# Allegro board 6089-119-RevB_08.brd (continued)
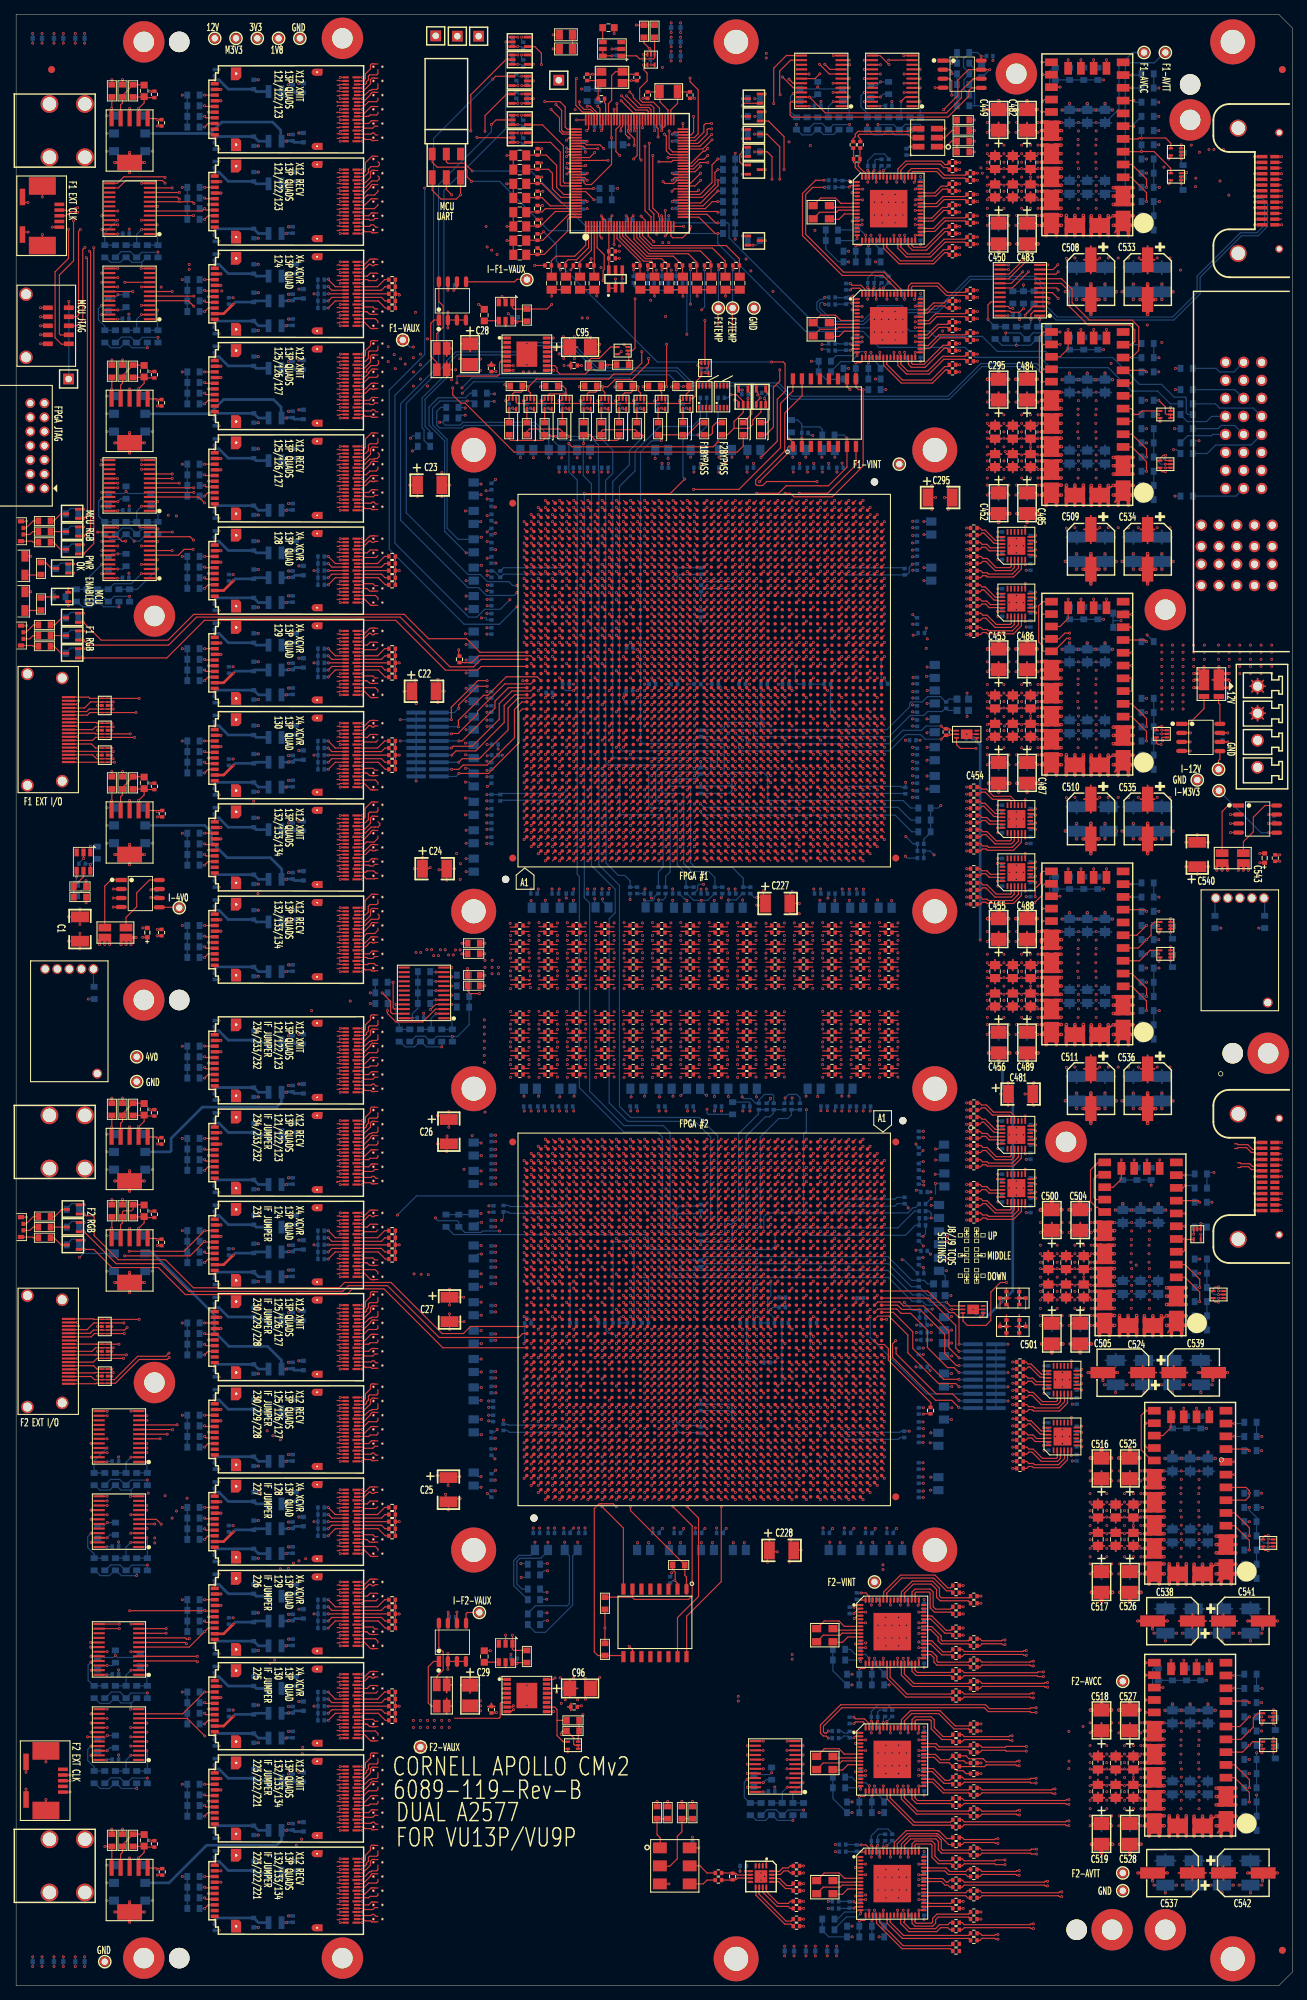
[diagram p0: board, top side]
## Routing (per net, layer and track width the routed paths; a pad name or vN(x,y) marks a point on that pad's centre or on a via; arc(x,y) is an arc through that point) (continued)
 v1(94.61,92.51) ; U77.M51 v1(111.39,68.51) ; v1(131.4,208) 131.4,209.14 C295.2 ; U35.B19 45.69,112.9 v1(45.69,112.89) ; U52.3 v1(71.28,269.06) ; U7.3 v1(11.5,89.4) ; U75.BC44 v1(114.39,202.29) ; U77.AD19 v1(99.39,101.29) ; U30.A7 v1(48.81,187.9) ; U77.M5 v1(111.39,115.29) ; U77.AA24 v1(102.39,96.29) ; U75.H46 v1(78.61,204.29) ; U77.AP47 v1(88.61,72.51) ; U75.BJ4 v1(120.39,161.51) ; U8.8 v1(13.5,85.9) ; U77.BB5 v1(80.61,115.29) ; U77.AG22 v1(95.61,98.29) ; U77.AR44 v1(87.61,75.51) ; U123.2 v1(171.19,165.03) ; U75.BG28 v1(118.39,186.29) ; U77.AM33 v1(90.61,86.51) ; U77.AF23 v1(97.39,97.29) ; U75.A9 v1(71.61,166.51) ; U39.A1 v1(48.81,69.9) ; U77.AK47 v1(92.61,72.51) ; U77.L5 v1(112.39,115.29) ; U77.F7 v1(117.39,113.29) ; U43.B4 v1(45.69,16.4) ; U75.W34 v1(89.61,192.29) ; U75.AL34 v1(102.39,192.29) ; U75.K7 v1(80.61,164.51) ; U77.AB51 v1(101.39,68.51) ; U77.AV42 v1(84.61,77.51) ; U77.AG49 v1(95.61,70.51) ; v1(94,238.05) C155.2 C154.2 ; U75.AG28 v1(98.39,186.29) ; U75.F16 v1(76.61,173.51) ; U75.N47 v1(83.61,205.29) ; U75.R4 v1(85.61,161.51) ; U77.BL31 v1(71.61,88.51) ; U75.AC36 v1(93.61,194.29) ; U77.M46 v1(111.39,73.51) ; U77.AM41 v1(90.61,78.51) ; C543.2 v1(175.32,159.56) ; J5.8 v1(8.66,175.98) ; U75.BH37 v1(119.39,195.29) ; 177.43,109.22 v1(178.38,109.22) ; U75.BF36 v1(117.39,194.29) ; U77.AY19 v1(82.61,101.29) ; U77.AL26 v1(91.61,94.29) ; U77.AL47 v1(91.61,72.51) ; U75.H20 v1(78.61,177.51) ; 130.66,267.44 v1(129.54,267.44) ; U75.B48 v1(72.61,206.29) ; U77.AH33 v1(94.61,86.51) ; P3.7 v1(178.38,116.42) ; v1(65.45,229.2) 64.85,229.2 64.09,228.44 64.01,228.44 ; U77.AD27 v1(99.39,92.51) ; U77.C18 v1(120.39,102.29) ; U75.Y21 v1(90.61,178.51) ; U24.A4 v1(48.81,267.4) ; P2.2 v1(174.58,257.73) ; U77.AK38 v1(92.61,81.51) ; U77.H51 v1(115.39,68.51) ; U75.C50 v1(73.61,208.29) ; U77.N30 v1(110.39,89.51) ; U75.BF7 v1(117.39,164.51) ; U77.AH50 v1(94.61,69.51) ; U77.AV15 v1(84.61,105.29) ; U75.AK42 v1(101.39,200.29) ; U77.W47 v1(104.39,72.51) ; v1(62.55,229.25) 63.1,229.25 63.91,228.44 C28.2 64.01,228.44 ; U27.A16 v1(48.81,222.4) ; R14.1 v1(13.5,268.57) ; U75.BH41 v1(119.39,199.29) ; U77.AF5 v1(97.39,115.29) ; U77.W26 v1(104.39,94.29) ; U75.B5 v1(72.61,162.51) ; U75.M2 v1(82.61,159.51) ; U77.N5 v1(110.39,115.29) ; U123.7 v1(176.57,165.03) ; U77.C36 v1(120.39,83.51) ; U77.E48 v1(118.39,71.51) ; U77.H46 v1(115.39,73.51) ; U77.BA38 v1(81.61,81.51) ; U77.BJ49 v1(73.61,70.51) ; U75.AC8 v1(93.61,165.51) ; U75.AT25 v1(107.39,182.51) ; U75.AC30 v1(93.61,188.29) ; U77.C4 v1(120.39,116.29) ; U77.AE34 v1(98.39,85.51) ; U75.AG24 v1(98.39,181.51) ; U75.Y50 v1(90.61,208.29) ; U77.AC20 v1(100.39,100.29) ; U77.BH31 v1(74.61,88.51) ; U75.AF2 v1(97.39,159.51) ; U75.BK14 v1(121.39,171.51) ; U77.AA40 v1(102.39,79.51) ; U75.T21 v1(86.61,178.51) ; U75.AB35 v1(92.61,193.29) ; U77.Y37 v1(103.39,82.51) ; U56.1 68.45,232.18 68.45,232.17 v1(68.36,232.17) ; U77.AV25 v1(84.61,95.29) ; J6.2 v1(8.66,85.34) ; U63.3 82.5,223.51 82.33,223.34 v1(82.02,223.34) ; U77.V1 v1(105.39,119.29) ; v1(107.49,114.31) 107.39,114.31 107.39,114.29 U77.T6 ; U75.AC32 v1(93.61,190.29) ; U83.12 v1(108.7,34.48) ; R63.1 R64.1 R65.1 ; U77.BB14 v1(80.61,106.29) ; U77.AB10 v1(101.39,110.29) ; U75.U28 v1(87.61,186.29) ; U40.A1 v1(48.81,56.9) ; U75.F14 v1(76.61,171.51) ; U75.L40 v1(81.61,198.29) ; U42.B13 v1(45.69,24.9) ; U77.AM38 v1(90.61,81.51) ; U75.AN40 v1(104.39,198.29) ; v1(69.2,245.9) C40.2 C41.2 ; U77.D15 v1(119.39,105.29) ; U75.AF15 v1(97.39,172.51) ; U77.A17 v1(122.39,103.29) ; U77.AF51 v1(97.39,68.51) ; U75.BA3 v1(112.39,160.51) ; U77.BC3 v1(79.61,117.29) ; U75.BD38 v1(115.39,196.29) ; U15.12 v1(17.62,241.97) ; U75.H6 v1(78.61,163.51) ; U75.G4 v1(77.61,161.51) ; U75.K38 v1(80.61,196.29) ; C16.2 v1(19.9,222.6) ; C76.2 v1(79.7,228.3) ; U75.BF46 v1(117.39,204.29) ; R55.1 R54.1 R53.1 ; R55.1 R56.1 R57.1 ; R55.1 v1(54.01,104.4) ; C94.2 C98.2 81.85,238.64 v1(81.85,238.1) ; U75.BJ18 v1(120.39,175.51) ; U77.P38 v1(109.39,81.51) ; U77.BJ39 v1(73.61,80.51) ; U75.AD37 v1(94.61,195.29) ; v1(80.5,254.4) 80.1,254.8 U68.114 ; U77.AR3 v1(87.61,117.29) ; U75.BL48 v1(122.39,206.29) ; U77.BG49 v1(75.61,70.51) ; U75.AD47 v1(94.61,205.29) ; U75.W3 v1(89.61,160.51) ; U75.AY29 v1(111.39,187.29) ; U77.W24 v1(104.39,96.29) ; U77.BB33 v1(80.61,86.51) ; U77.BE19 v1(77.61,101.29) ; 64.01,228.44 64.85,227.6 v1(65.45,227.6) ; U75.AJ28 v1(100.39,186.29) ; U75.BJ49 v1(120.39,207.29) ; U75.W36 v1(89.61,194.29) ; U77.P5 v1(109.39,115.29) ; U75.Y46 v1(90.61,204.29) ; U77.BC30 v1(79.61,89.51) ; U77.L44 v1(112.39,75.51) ; U77.U28 v1(106.39,91.51) ; U75.AD23 v1(94.61,180.51) ; U75.G49 v1(77.61,207.29) ; U75.AC16 v1(93.61,173.51) ; U34.A4 v1(48.81,133.4) ; U75.B7 v1(72.61,164.51) ; U77.AA18 v1(102.39,102.29) ; U77.AH37 v1(94.61,82.51) ; U77.AK35 v1(92.61,84.51) ; U33.A1 v1(48.81,151.9) ; C295.2 131.4,210.26 v1(131.4,211.4) ; C295.2 v1(130.87,209.7) ; U77.AH23 v1(94.61,97.29) ; U75.H38 v1(78.61,196.29) ; U77.AA4 v1(102.39,116.29) ; U75.L14 v1(81.61,171.51) ; U77.H1 v1(115.39,119.29) ; U75.V25 v1(88.61,182.51) ; U75.AG36 v1(98.39,194.29) ; U75.AY38 v1(111.39,196.29) ; U77.D31 v1(119.39,88.51) ; U77.E45 v1(118.39,74.51) ; Q11.2 v1(9.6,105.05) ; U77.BC20 v1(79.61,100.29) ; U75.AD33 v1(94.61,191.29) ; U77.W22 v1(104.39,98.29) ; U75.F5 v1(76.61,162.51) ; U77.J38 v1(114.39,81.51) ; U27.A4 v1(48.81,228.4) ; J7.5 v1(62.65,252.35) 62.05,251.75 59.9,251.75 58.65,253 J7.1 ; U75.AA28 v1(91.61,186.29) ; U75.AU38 v1(108.39,196.29) ; U77.L16 v1(112.39,104.29) ; U107.13 v1(153.7,195.38) ; C24.2 v1(60.71,155.8) ; C24.2 v1(61.81,157.4) ; C24.2 60.05,157.4 59.9,157.25 v1(59.62,157.25) ; U77.AJ3 v1(93.61,117.29) ; U75.AW40 v1(110.39,198.29) ; C10.2 v1(18.89,227.45) ; U75.G48 v1(77.61,206.29) ; U77.BE3 v1(77.61,117.29) ; U75.C34 v1(73.61,192.29) ; U77.P10 v1(109.39,110.29) ; U75.AU43 v1(108.39,201.29) ; U75.P50 v1(84.61,208.29) ; U77.AU13 v1(85.61,107.29) ; U77.D21 v1(119.39,99.29) ; U75.F50 v1(76.61,208.29) ; U75.AE22 v1(95.61,179.51) ; U77.AJ47 v1(93.61,72.51) ; U77.AA9 v1(102.39,111.29) ; U75.AD5 v1(94.61,162.51) ; U77.AC38 v1(100.39,81.51) ; U75.AW49 v1(110.39,207.29) ; U75.R8 v1(85.61,165.51) ; U33.A10 v1(48.81,147.4) ; U30.B7 v1(45.69,187.9) ; U50.3 v1(70.72,273.24) ; U77.BA47 v1(81.61,72.51) ; U75.L47 v1(81.61,205.29) ; U75.F38 v1(76.61,196.29) ; U77.BJ48 v1(73.61,71.51) ; U77.BE33 v1(77.61,86.51) ; U25.B4 v1(45.69,254.4) ; U111.3 v1(162.74,222.4) ; U56.16 v1(75.72,232.18) ; U75.BA26 v1(112.39,184.29) ; U33.B16 v1(45.69,144.4) ; 153.7,270.18 v1(153.7,271.38) ; U41.B19 v1(45.69,34.9) ; U75.BH46 v1(119.39,204.29) ; U75.AB19 v1(92.61,176.51) ; U77.BE5 v1(77.61,115.29) ; U77.BA40 v1(81.61,79.51) ; v1(90.02,223.34) 90.33,223.34 90.5,223.51 U73.3 ; U77.AG32 v1(95.61,87.51) ; U77.G5 v1(116.39,115.29) ; U77.AN18 v1(89.61,102.29) ; U77.AE48 v1(98.39,71.51) ; U33.A7 v1(48.81,148.9) ; U77.AR26 v1(87.61,94.29) ; U75.B14 v1(72.61,171.51) ; U77.BC44 v1(79.61,75.51) ; U40.B4 v1(45.69,55.4) ; U19.3 v1(16,167.01) ; U77.AT29 v1(86.61,90.51) ; U77.E16 v1(118.39,104.29) ; U77.AF42 v1(97.39,77.51) ; U31.A7 v1(48.81,174.9) ; U33.A16 v1(48.81,144.4) ; U77.BF32 v1(76.61,87.51) ; U75.AG38 v1(98.39,196.29) ; U75.U38 v1(87.61,196.29) ; U77.AW12 v1(83.61,108.29) ; U32.A10 v1(48.81,160.4) ; U75.N14 v1(83.61,171.51) ; U75.M41 v1(82.61,199.29) ; U77.P45 v1(109.39,74.51) ; U75.AN43 v1(104.39,201.29) ; P2.7 v1(178.38,255.32) ; U75.P37 v1(84.61,195.29) ; U26.B1 v1(45.69,242.9) ; U77.AB21 v1(101.39,99.29) ; U77.AT25 v1(86.61,95.29) ; U75.AV45 v1(109.39,203.29) ; U75.BK7 v1(121.39,164.51) ; U75.B4 v1(72.61,161.51) ; U75.AV47 v1(109.39,205.29) ; U77.V45 v1(105.39,74.51) ; U77.BL44 v1(71.61,75.51) ; U75.AY1 v1(111.39,158.51) ; U77.AA14 v1(102.39,106.29) ; U77.BG44 v1(75.61,75.51) ; U77.BG48 v1(75.61,71.51) ; U26.B4 v1(45.69,241.4) ; U75.AY6 v1(111.39,163.51) ; U77.AN32 v1(89.61,87.51) ; U75.AH50 v1(99.39,208.29) ; U35.B10 v1(45.69,117.4) ; U77.AN38 v1(89.61,81.51) ; U77.F16 v1(117.39,104.29) ; U37.B13 v1(45.69,89.9) ; J5.5 v1(8.66,174.46) ; U27.A7 v1(48.81,226.9) ; U75.U39 v1(87.61,197.29) ; U75.T11 v1(86.61,168.51) ; U77.AD31 v1(99.39,88.51) ; U77.BF33 v1(76.61,86.51) ; U6.8 v1(13.5,92.9) ; U75.AK35 v1(101.39,193.29) ; C75.2 C74.2 v1(75.5,238.08) ; U75.AW48 v1(110.39,206.29) ; U75.K45 v1(80.61,203.29) ; U77.AL22 v1(91.61,98.29) ; Q17.2 v1(103.9,245.25) ; U75.U30 v1(87.61,188.29) ; Q16.2 v1(102.4,255.25) ; U75.Y5 v1(90.61,162.51) ; U75.AY50 v1(111.39,208.29) ; U75.H5 v1(78.61,162.51) ; U5.3 v1(11.5,173.4) ; U75.BC5 v1(114.39,162.51) ; U77.AM29 v1(90.61,90.51) ; U75.G40 v1(77.61,198.29) ; U75.D21 v1(74.61,178.51) ; U77.AG47 v1(95.61,72.51) ; U77.K45 v1(113.39,74.51) ; U77.BK42 v1(72.61,77.51) ; U75.BE34 v1(116.39,192.29) ; U77.BK16 v1(72.61,104.29) ; U75.BC20 v1(114.39,177.51) ; U77.BD11 v1(78.61,109.29) ; U77.T1 v1(107.39,119.29) ; U32.A16 v1(48.81,157.4) ; U77.B20 v1(121.39,100.29) ; U75.B10 v1(72.61,167.51) ; U34.A1 v1(48.81,134.9) ; U77.BL18 v1(71.61,102.29) ; U75.G36 v1(77.61,194.29) ; U75.N30 v1(83.61,188.29) ; U77.AR38 v1(87.61,81.51) ; U77.BE24 v1(77.61,96.29) ; U75.AK37 v1(101.39,195.29) ; U77.J3 v1(114.39,117.29) ; U77.AE4 v1(98.39,116.29) ; v1(150.37,161.59) 150.45,161.59 150.45,161.6 ; U77.AG30 v1(95.61,89.51) ; U75.AU3 v1(108.39,160.51) ; U75.AJ14 v1(100.39,171.51) ; U75.BH45 v1(119.39,203.29) ; U75.BL45 v1(122.39,203.29) ; U75.B33 v1(72.61,191.29) ; U28.A13 v1(48.81,210.9) ; U77.R34 v1(108.39,85.51) ; U75.AD12 v1(94.61,169.51) ; U75.H50 v1(78.61,208.29) ; U77.T50 v1(107.39,69.51) ; v1(75.97,43.38) 75.95,43.38 75.95,43.4 75.72,43.17 U57.16 ; U77.AB33 v1(101.39,86.51) ; U77.J43 v1(114.39,76.51) ; U29.A19 v1(48.81,194.9) ; U77.AT38 v1(86.61,81.51) ; v1(45.69,239.9) U26.B7 ; U75.H17 v1(78.61,174.51) ; U75.AL49 v1(102.39,207.29) ; U75.D32 v1(74.61,190.29) ; U75.AG40 v1(98.39,198.29) ; U75.AD35 v1(94.61,193.29) ; U77.F19 v1(117.39,101.29) ; U77.H37 v1(115.39,82.51) ; R79.2 63.64,140.16 64,139.8 v1(65.3,139.8) ; U75.W18 v1(89.61,175.51) ; U5.8 v1(13.5,173.4) ; U75.AD27 v1(94.61,185.29) ; U75.W5 v1(89.61,162.51) ; U40.B13 v1(45.69,50.9) ; R15.1 v1(13.5,229.07) ; U75.BD50 v1(115.39,208.29) ; U77.K14 v1(113.39,106.29) ; U77.N38 v1(110.39,81.51) ; U77.AU38 v1(85.61,81.51) ; C17.2 v1(19.89,148.85) ; U38.A4 v1(48.81,81.4) ; U109.13 v1(161.2,116.38) ; U77.C7 v1(120.39,113.29) ; U77.BG12 v1(75.61,108.29) ; U77.B42 v1(121.39,77.51) ; U77.C48 v1(120.39,71.51) ; U119.3 v1(166,105.9) ; U75.AM50 v1(103.39,208.29) ; U77.L47 v1(112.39,72.51) ; U113.3 v1(162.74,150.38) ; U75.AT21 v1(107.39,178.51) ; U77.AV51 v1(84.61,68.51) ; C23.2 v1(61.15,211.45) ; C23.2 v1(60.01,213.21) ; C23.2 v1(60.01,209.84) ; U75.AJ3 v1(100.39,160.51) ; U75.H51 v1(78.61,209.29) ; U77.V5 v1(105.39,115.29) ; U75.BL40 v1(122.39,198.29) ; U75.R49 v1(85.61,207.29) ; U28.B13 v1(45.69,210.9) ; U75.V23 v1(88.61,180.51) ; U75.E17 v1(75.61,174.51) ; R19.1 v1(13.5,22.07) ; U75.AT41 v1(107.39,199.29) ; U75.F6 v1(76.61,163.51) ; v1(150.37,199.59) 150.45,199.59 150.45,199.6 ; U77.AR30 v1(87.61,89.51) ; v1(74.02,223.34) 74.33,223.34 74.5,223.51 U59.3 ; U77.AA32 v1(102.39,87.51) ; U77.AE5 v1(98.39,115.29) ; U22.3 v1(16,18.01) ; U75.AK15 v1(101.39,172.51) ; U75.AE20 v1(95.61,177.51) ; U33.B19 v1(45.69,142.9) ; U27.B13 v1(45.69,223.9) ; U77.AP37 v1(88.61,82.51) ; U77.BB47 v1(80.61,72.51) ; U75.AB38 v1(92.61,196.29) ; U77.AH41 v1(94.61,78.51) ; U11.12 v1(16.2,50.98) ; U75.C44 v1(73.61,202.29) ; U75.D51 v1(74.61,209.29) ; U77.W28 v1(104.39,91.51) ; U77.H50 v1(115.39,69.51) ; U77.L40 v1(112.39,79.51) ; U75.AL20 v1(102.39,177.51) ; U77.V29 v1(105.39,90.51) ; U77.AP23 v1(88.61,97.29) ; U75.L16 v1(81.61,173.51) ; U75.BF47 v1(117.39,205.29) ; U77.D6 v1(119.39,114.29) ; v1(84.52,223.34) 84.83,223.34 85,223.51 U67.3 ; U75.AR26 v1(106.39,184.29) ; U37.A4 v1(48.81,94.4) ; U77.BK49 v1(72.61,70.51) ; U75.BG49 v1(118.39,207.29) ; v1(69.18,257.9) C34.2 C35.2 ; U75.BB7 v1(113.39,164.51) ; U75.AM47 v1(103.39,205.29) ; U77.BH6 v1(74.61,114.29) ; U75.B31 v1(72.61,189.29) ; U77.BB51 v1(80.61,68.51) ; U75.AM23 v1(103.39,180.51) ; U75.C8 v1(73.61,165.51) ; U77.R8 v1(108.39,112.29) ; U77.BC48 v1(79.61,71.51) ; U75.BJ16 v1(120.39,173.51) ; U77.AM11 v1(90.61,109.29) ; U75.AB17 v1(92.61,174.51) ; U75.BJ45 v1(120.39,203.29) ; U77.AE26 v1(98.39,94.29) ; U75.BB1 v1(113.39,158.51) ; U75.BH36 v1(119.39,194.29) ; U77.BG34 v1(75.61,85.51) ; U75.AM1 v1(103.39,158.51) ; U75.Y11 v1(90.61,168.51) ; U77.AF19 v1(97.39,101.29) ; U77.AF50 v1(97.39,69.51) ; C115.2 v1(84.31,275.06) ; U77.AU14 v1(85.61,106.29) ; U21.3 v1(16,106.71) ; U75.E34 v1(75.61,192.29) ; U77.BG3 v1(75.61,117.29) ; v1(169.5,97.93) 169.62,97.93 169.65,97.9 U121.3 ; U77.AG38 v1(95.61,81.51) ; J3.9 v1(1.4,27.72) ; U77.BG40 v1(75.61,79.51) ; U75.BG48 v1(118.39,206.29) ; U28.A10 v1(48.81,212.4) ; U77.AJ22 v1(93.61,98.29) ; U77.F2 v1(117.39,118.29) ; U41.B13 v1(45.69,37.9) ; U24.B19 v1(45.69,259.9) ; U124.3 176.65,62.9 176.62,62.93 v1(176.5,62.93) ; U31.A1 v1(48.81,177.9) ; U77.AP29 v1(88.61,90.51) ; U43.B16 v1(45.69,10.4) ; U75.R40 v1(85.61,198.29) ; U75.AL28 v1(102.39,186.29) ; U42.B4 v1(45.69,29.4) ; P2.14 v1(174.58,252.93) ; U77.A43 v1(122.39,76.51) ; U75.AT31 v1(107.39,189.29) ; U75.Y27 v1(90.61,185.29) ; U77.AT11 v1(86.61,109.29) ; U75.AN48 v1(104.39,206.29) ; U75.BB23 v1(113.39,180.51) ; U77.AH1 v1(94.61,119.29) ; U77.AM47 v1(90.61,72.51) ; U77.AK23 v1(92.61,97.29) ; U77.D45 v1(119.39,74.51) ; U75.AE5 v1(95.61,162.51) ; U75.K14 v1(80.61,171.51) ; U77.K51 v1(113.39,68.51) ; U77.BF2 v1(76.61,118.29) ; U75.N5 v1(83.61,162.51) ; U75.AK51 v1(101.39,209.29) ; U77.F47 v1(117.39,72.51) ; U77.A34 v1(122.39,85.51) ; U75.R48 v1(85.61,206.29) ; U75.Y23 v1(90.61,180.51) ; U43.B7 v1(45.69,14.9) ; U77.AK2 v1(92.61,118.29) ; U75.Y41 v1(90.61,199.29) ; U77.AW4 v1(83.61,116.29) ; U29.B1 v1(45.69,203.9) ; U75.M50 v1(82.61,208.29) ; U77.BG35 v1(75.61,84.51) ; U75.AE4 v1(95.61,161.51) ; U77.BE12 v1(77.61,108.29) ; U77.AV1 v1(84.61,119.29) ; U120.7 v1(170.81,176.53) ; U77.AE32 v1(98.39,87.51) ; U40.A16 v1(48.81,49.4) ; U77.AL44 v1(91.61,75.51) ; U75.V7 v1(88.61,164.51) ; U75.M5 v1(82.61,162.51) ; U77.M6 v1(111.39,114.29) ; U75.BG36 v1(118.39,194.29) ; U77.C50 v1(120.39,69.51) ; U75.BH20 v1(119.39,177.51) ; U75.F7 v1(76.61,164.51) ; U75.N3 v1(83.61,160.51) ; U75.AR47 v1(106.39,205.29) ; U75.H36 v1(78.61,194.29) ; U75.AE16 v1(95.61,173.51) ; U77.AA3 v1(102.39,117.29) ; U77.AL40 v1(91.61,79.51) ; U77.AY5 v1(82.61,115.29) ; U75.C48 v1(73.61,206.29) ; U77.K7 v1(113.39,113.29) ; U62.3 80,223.51 79.83,223.34 v1(79.52,223.34) ; U77.BH7 v1(74.61,113.29) ; U75.AV5 v1(109.39,162.51) ; U77.AJ28 v1(93.61,91.51) ; U75.BK36 v1(121.39,194.29) ; U77.AH12 v1(94.61,108.29) ; U77.AN3 v1(89.61,117.29) ; U77.J22 v1(114.39,98.29) ; J6.5 v1(8.66,86.86) ; U8.3 v1(11.5,85.9) ; U77.AA48 v1(102.39,71.51) ; U77.M50 v1(111.39,69.51) ; U75.V2 v1(88.61,159.51) ; U75.AB33 v1(92.61,191.29) ; U75.AT1 v1(107.39,158.51) ; U77.Y50 v1(103.39,69.51) ; U75.AJ22 v1(100.39,179.51) ; U25.A10 v1(48.81,251.4) ; U75.N20 v1(83.61,177.51) ; U77.F10 v1(117.39,110.29) ; U75.H1 v1(78.61,158.51) ; U75.AA48 v1(91.61,206.29) ; U77.AF27 v1(97.39,92.51) ; U75.AL40 v1(102.39,198.29) ; U75.BK20 v1(121.39,177.51) ; U34.A16 v1(48.81,127.4) ; U75.BL34 v1(122.39,192.29) ; U75.AD21 v1(94.61,178.51) ; U75.AL8 v1(102.39,165.51) ; U75.AF1 v1(97.39,158.51) ; U75.R24 v1(85.61,181.51) ; U77.W44 v1(104.39,75.51) ; U75.T47 v1(86.61,205.29) ; U77.BE47 v1(77.61,72.51) ; U34.B4 v1(45.69,133.4) ; U3.3 v1(11.5,180.4) ; U75.BJ48 v1(120.39,206.29) ; U75.AM41 v1(103.39,199.29) ; U75.AB23 v1(92.61,180.51) ; U32.A4 v1(48.81,163.4) ; U75.BC30 v1(114.39,188.29) ; U77.AF10 v1(97.39,110.29) ; U75.AJ49 v1(100.39,207.29) ; U77.AG4 v1(95.61,116.29) ; U77.AU47 v1(85.61,72.51) ; U42.A13 v1(48.81,24.9) ; U75.AK38 v1(101.39,196.29) ; U75.A35 v1(71.61,193.29) ; U77.AL38 v1(91.61,81.51) ; U75.AB2 v1(92.61,159.51) ; U77.V38 v1(105.39,81.51) ; U75.J12 v1(79.61,169.51) ; U75.AV50 v1(109.39,208.29) ; U37.B19 v1(45.69,86.9) ; U77.AY29 v1(82.61,90.51) ; U77.AK27 v1(92.61,92.51) ; U75.N49 v1(83.61,207.29) ; U75.AM38 v1(103.39,196.29) ; U75.AK1 v1(101.39,158.51) ; Q10.2 v1(9.6,107.55) ; U77.N43 v1(110.39,76.51) ; U75.E24 v1(75.61,181.51) ; U27.B4 v1(45.71,228.4) ; U77.AA12 v1(102.39,108.29) ; U39.B4 v1(45.69,68.4) ; U77.AL5 v1(91.61,115.29) ; U77.BF1 v1(76.61,119.29) ; U24.A16 v1(48.81,261.4) ; U68.64 v1(94,262.4) ; U75.C45 v1(73.61,203.29) ; U25.A4 v1(48.81,254.4) ; U36.B19 v1(45.69,99.9) ; U75.AN47 v1(104.39,205.29) ; U75.BB14 v1(113.39,171.51) ; U77.L26 v1(112.39,94.29) ; U77.W40 v1(104.39,79.51) ; U77.BH2 v1(74.61,118.29) ; U27.B10 v1(45.69,225.4) ; U75.E3 v1(75.61,160.51) ; U77.AL18 v1(91.61,102.29) ; U77.F38 v1(117.39,81.51) ; U118.13 v1(168.2,45.88) ; U77.H11 v1(115.39,109.29) ; U77.F32 v1(117.39,87.51) ; U40.B16 v1(45.69,49.4) ; U41.A1 v1(48.81,43.9) ; U77.AK10 v1(92.61,110.29) ; U77.AB50 v1(101.39,69.51) ; U56.8 v1(70.08,227.62) ; U75.M33 v1(82.61,191.29) ; U77.G12 v1(116.39,108.29) ; U38.A13 v1(48.81,76.9) ; U77.AB15 v1(101.39,105.29) ; U58.3 72,223.51 71.83,223.34 v1(71.52,223.34) ; U75.BA12 v1(112.39,169.51) ; U77.AE20 v1(98.39,100.29) ; U75.F20 v1(76.61,177.51) ; U77.AD35 v1(99.39,84.51) ; U77.AC48 v1(100.39,71.51) ; P3.13 v1(178.38,114.03) ; U32.B1 v1(45.69,164.9) ; U75.AL16 v1(102.39,173.51) ; U77.AH17 v1(94.61,103.29) ; U75.A34 v1(71.61,192.29) ; U26.A4 v1(48.81,241.4) ; U75.L48 v1(81.61,206.29) ; U75.AJ47 v1(100.39,205.29) ; U75.AV35 v1(109.39,193.29) ; U75.AP19 v1(105.39,176.51) ; U77.V27 v1(105.39,92.51) ; U75.AF29 v1(97.39,187.29) ; U75.BJ50 v1(120.39,208.29) ; U77.N14 v1(110.39,106.29) ; U77.BJ22 v1(73.61,98.29) ; U75.AU30 v1(108.39,188.29) ; U75.BH16 v1(119.39,173.51) ; U27.A19 v1(48.81,220.9) ; Q6.2 v1(9.5,193.4) ; U75.H19 v1(78.61,176.51) ; U75.AG8 v1(98.39,165.51) ; U75.D27 v1(74.61,185.29) ; U75.AH47 v1(99.39,205.29) ; U77.AE28 v1(98.39,91.51) ; U77.AB7 v1(101.39,113.29) ; U77.AM27 v1(90.61,92.51) ; U75.AJ24 v1(100.39,181.51) ; U77.AE22 v1(98.39,98.29) ; U75.BB10 v1(113.39,167.51) ; U75.AY19 v1(111.39,176.51) ; U77.U5 v1(106.39,115.29) ; U77.J9 v1(114.39,111.29) ; U75.BL35 v1(122.39,193.29) ; U77.AP38 v1(88.61,81.51) ; U77.AC34 v1(100.39,85.51) ; U75.AR40 v1(106.39,198.29) ; U27.B7 v1(45.69,226.9) ; U77.AN48 v1(89.61,71.51) ; U77.AD51 v1(99.39,68.51) ; U77.AJ16 v1(93.61,104.29) ; U75.BE24 v1(116.39,181.51) ; U26.A7 v1(48.84,239.9) ; C27.2 v1(61.1,94.68) ; C27.2 v1(63.14,93.59) ; C27.2 v1(61.1,92.49) ; U75.BB5 v1(113.39,162.51) ; U77.C12 v1(120.39,108.29) ; U75.BK49 v1(121.39,207.29) ; v1(17.44,205.54) 17.5,205.54 17.5,205.47 U18.12 ; U77.U47 v1(106.39,72.51) ; U75.AA3 v1(91.61,160.51) ; U75.J14 v1(79.61,171.51) ; U75.AA4 v1(91.61,161.51) ; U77.BD2 v1(78.61,118.29) ; U37.B1 v1(45.69,95.9) ; U39.A13 v1(48.81,63.9) ; U55.3 v1(70.72,259.74) ; U77.AK21 v1(92.61,99.29) ; U77.AL4 v1(91.61,116.29) ; U77.B16 v1(121.39,104.29) ; U32.A19 v1(48.81,155.9) ; U77.BK19 v1(72.61,101.29) ; U75.AP7 v1(105.39,164.51) ; U75.AL30 v1(102.39,188.29) ; U77.AJ26 v1(93.61,94.29) ; U77.G8 v1(116.39,112.29) ; U77.D41 v1(119.39,78.51) ; U6.3 v1(11.5,92.9) ; U77.BJ50 v1(73.61,69.51) ; U77.AM5 v1(90.61,115.29) ; U75.AE40 v1(95.61,198.29) ; U75.H32 v1(78.61,190.29) ; U75.AT50 v1(107.39,208.29) ; U77.AU39 v1(85.61,80.51) ; U77.BK33 v1(72.61,86.51) ; U77.AN34 v1(89.61,85.51) ; U31.A13 v1(48.81,171.9) ; U3.8 v1(13.5,180.4) ; U75.AH40 v1(99.39,198.29) ; U75.AM5 v1(103.39,162.51) ; U75.BJ39 v1(120.39,197.29) ; U77.BE16 v1(77.61,104.29) ; U75.AA16 v1(91.61,173.51) ; U75.AC14 v1(93.61,171.51) ; U75.BF31 v1(117.39,189.29) ; U75.AG48 v1(98.39,206.29) ; v1(45.72,264.39) 45.73,264.4 U24.B10 ; U4.3 v1(11.5,176.9) ; U34.B1 v1(45.69,134.9) ; U75.A16 v1(71.61,173.51) ; U75.BF51 v1(117.39,209.29) ; U77.AA43 v1(102.39,76.51) ; U75.AL18 v1(102.39,175.51) ; U70.3 v1(88.46,272.14) ; U77.AV10 v1(84.61,110.29) ; U77.BH37 v1(74.61,82.51) ; U75.BE17 v1(116.39,174.51) ; U77.V7 v1(105.39,113.29) ; U75.AH41 v1(99.39,199.29) ; U77.AY2 v1(82.61,118.29) ; U77.AP35 v1(88.61,84.51) ; U77.E3 v1(118.39,117.29) ; U77.BG36 v1(75.61,83.51) ; U77.J48 v1(114.39,71.51) ; J3.8 v1(1.4,30.08) ; U75.AP2 v1(105.39,159.51) ; U77.AF7 v1(97.39,113.29) ; U75.AF45 v1(97.39,203.29) 